# KiCad board BeavisUltrasoundPnp.kicad_pcb (continued)
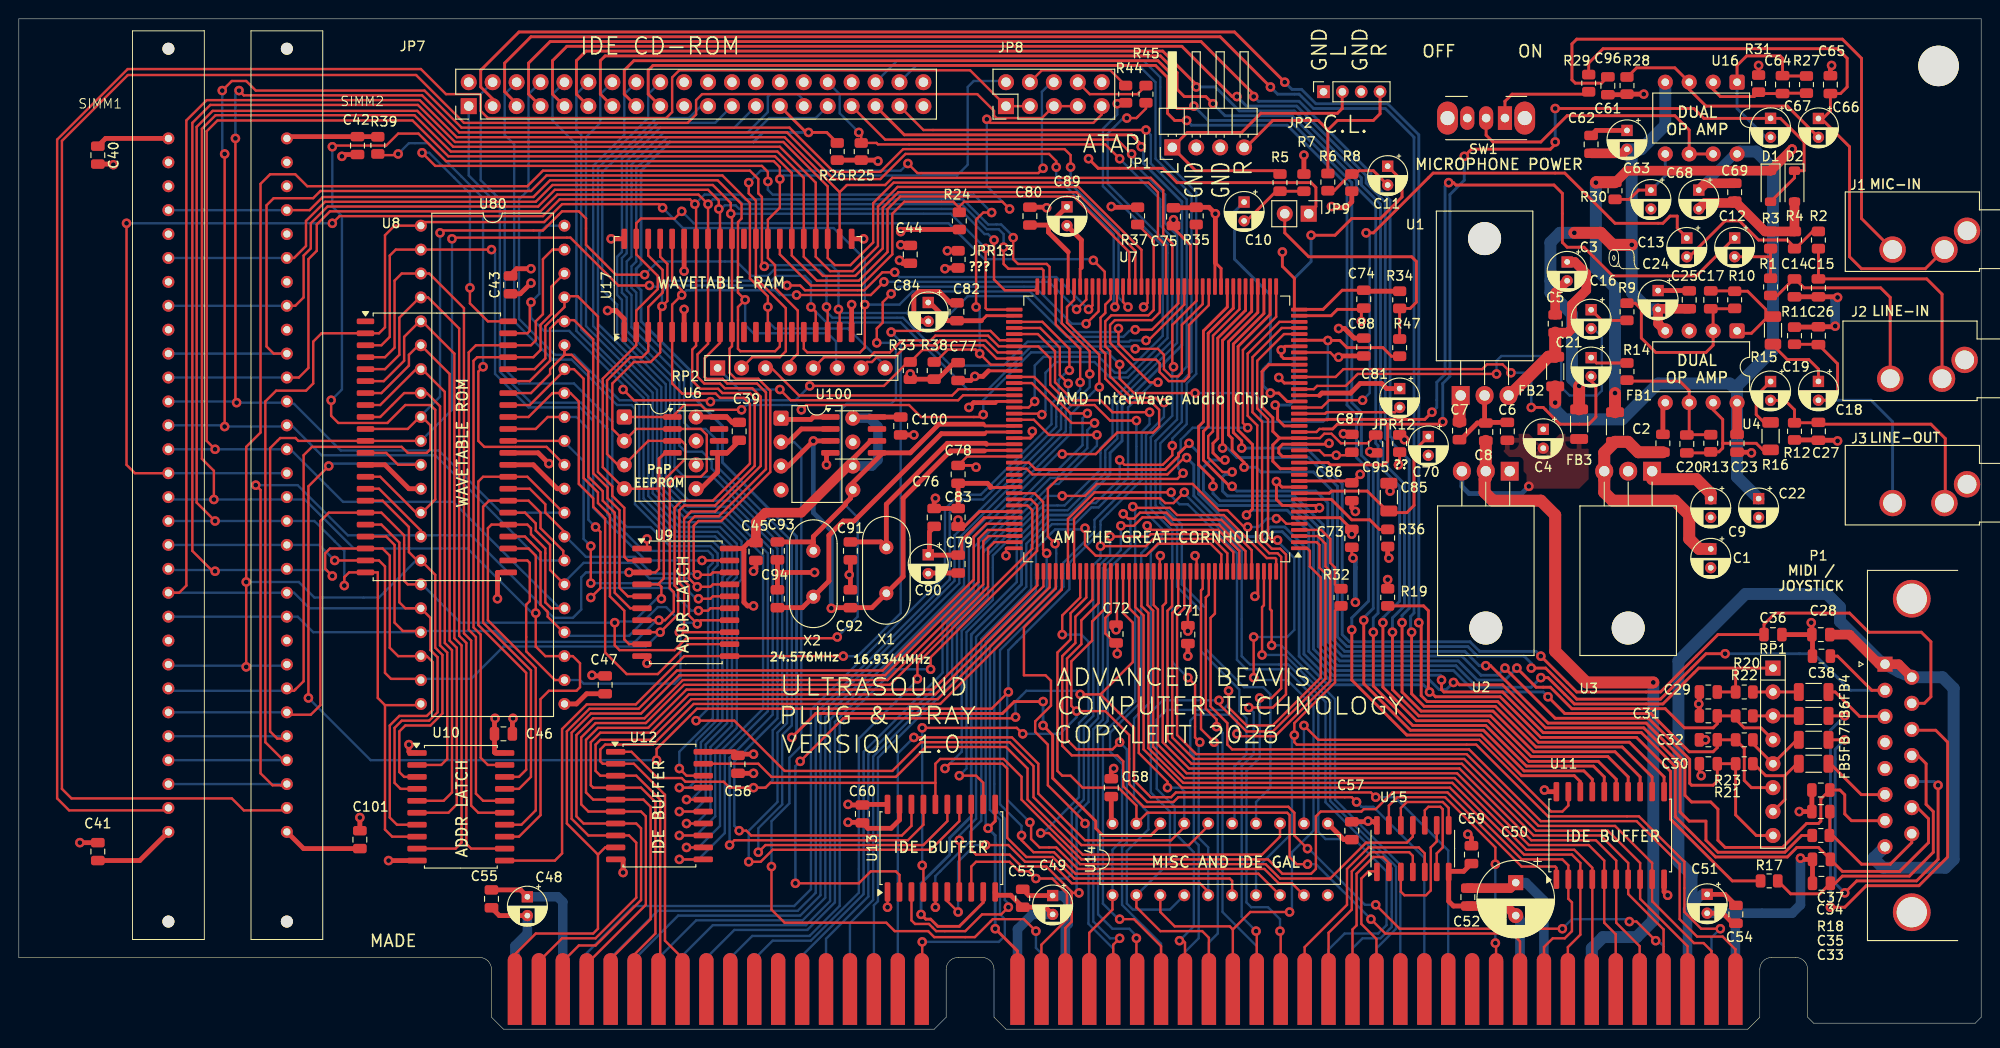
[diagram p0: board, top side]
## Routing (per net, layer and track width the routed paths; a pad name or vN(x,y) marks a point on that pad's centre or on a via; arc(x,y) is an arc through that point) (continued)
/~{EX_CS}: length 92.8
  Top w0.254: 118.74,85.47 120.45,83.76 U7.61 120.45,76.38 119.89,75.82 115.95,75.82 115.32,75.18 115.32,72.52 115.82,72.01 115.82,69.34 118.11,67.06 120.65,67.06 121.16,66.55 v1(121.54,66.55)
  Bottom w0.254: v1(121.54,66.55) 121.54,65.02 119.63,63.12 119.63,54.86 121.29,53.21 121.29,51.82 120.14,50.67 120.14,34.8 118.36,33.02 118.36,24.51 119.89,22.99 119.89,21.21 117.6,18.92 117.6,13.35 118.25,12.7 122.17,12.7 U14.4
/~{I_IOR}: length 217.8
  Top w0.254: U13.16 97.28,26.16 ; 97.28,26.16 97.28,28.19 97.79,28.7 104.53,28.7 106.43,26.81 106.43,24.38 112.78,18.03 132.59,18.03 134.11,16.51 137.16,16.51 137.67,17.02 137.67,22.61 138.18,23.11 142.49,23.11 142.75,23.37 144.02,23.37 145.8,25.15 151.64,25.15 159.51,17.27 163.07,17.27 163.19,17.14 U11.1 ; 97.28,26.16 79.76,26.16 79.25,25.65 v1(77.98,25.65) 75.44,25.65 74.81,26.28 70.74,26.28 70.36,26.67 67.82,26.67 65.02,29.46 U12.1
  Bottom w0.254: JP7.25 75.95,95.76 68.07,95.76 64.52,92.2 64.52,82.41 64.01,81.9 64.01,78.23 64.52,77.72 64.52,74.17 69.6,69.09 69.6,59.69 70.61,58.67 73.66,58.67 81.03,51.31 81.03,32.77 80.01,31.75 80.01,26.42 79.25,25.65 v1(77.98,25.65)
/~{I_IOW}: length 118.5
  Top w0.254: v1(76.45,21.08) 77.22,21.08 77.72,20.57 93.73,20.57 94.74,21.59 U13.18
  Bottom w0.254: v1(76.45,21.08) 75.95,21.59 75.95,28.45 80.52,33.02 80.52,51.05 75.44,56.13 71.12,56.13 69.14,58.12 69.14,68.79 64.01,73.91 64.01,77.47 63.5,77.98 63.5,82.04 64.01,82.55 64.01,92.46 67.82,96.27 73.91,96.27 JP7.23
/~{IDE_CS0}: length 108.7
  Top w0.254: JP7.37 96.01,95.5 v1(119.63,95.5)
  Bottom w0.254: U14.15 129.03,22.1 129.03,27.94 130.3,29.21 130.3,33.02 129.54,33.78 129.54,36.07 125.48,40.13 125.48,44.45 122.94,46.99 122.94,53.34 120.65,55.63 120.65,62.48 122.94,64.77 122.94,69.34 123.95,70.36 123.95,88.14 120.14,91.95 120.14,95 v1(119.63,95.5)
/~{IDE_CS1}: length 117
  Bottom w0.254: U14.14 131.32,24.13 132.84,25.65 132.84,35.56 132.08,36.32 130.05,36.32 125.98,40.39 125.98,44.7 123.44,47.24 123.44,53.59 121.16,55.88 121.16,62.23 123.44,64.52 123.44,68.83 124.46,69.85 124.46,88.65 120.65,92.46 120.65,100.58 118.87,102.36 95.25,102.36 JP7.38
/~{IDE_RST}: length 149.3
  Top w0.254: U14.16 126.24,21.59 124.21,19.56 112.78,19.56 107.7,24.64 107.7,27.94 105.16,30.48 95.76,30.48 92.71,27.43 81.28,27.43 75.95,32.77 v1(71.88,32.77)
  Bottom w0.254: JP7.1 47.75,90.68 51.05,87.38 51.05,69.85 54.36,66.55 59.69,66.55 62.48,63.75 62.48,54.61 66.29,50.8 73.15,50.8 73.66,50.29 73.66,49.53 73.15,49.02 73.15,34.04 v1(71.88,32.77)
/~{IIOCS16}: length 93.9
  Top w0.254: U7.136 117.85,44.71 118.87,43.69 118.87,29.34 121.92,26.29 v1(121.92,25.65) ; U14.17 123.7,21.46 122.3,20.07 113.16,20.07 108.2,25.02 108.2,28.19 105.41,30.99 v1(95,30.99)
  Bottom w0.254: U14.17 123.7,25.27 123.32,25.65 v1(121.92,25.65) ; v1(95,30.99) 93.29,29.29 J4.D2
/~{IO_CHCK}: length 90.3
  Top w0.254: J4.A1 182.19,8.48 180.85,9.83 178.13,9.83 176.28,11.68 176.28,17.53 171.7,22.1 161.54,22.1 153.92,29.72 128.78,29.72 128.27,30.23 128.27,32.51 126.49,34.29 126.49,43.69 126.95,44.15 U7.150
/~{IOCS16}: length 156.2
  Top w0.254: v1(98.3,27.69) 98.81,28.19 104.39,28.19 104.9,27.69 104.9,20.32 106.93,18.29 109.73,18.29 112.01,16 128.52,16 128.78,15.75 U14.6 ; v1(89.15,95.25) 89.41,95 R25.2 91.04,94.13 91.19,93.98 115.32,93.98 v1(116.84,92.46)
  Bottom w0.254: v1(116.84,92.46) 121.16,88.14 121.16,85.34 122.43,84.07 122.43,73.15 116.08,66.8 116.08,62.99 114.81,61.72 114.81,59.44 111,55.63 108.71,55.63 103.38,50.29 103.38,45.6 100.08,42.3 100.08,29.46 v1(98.3,27.69) ; v1(89.15,95.25) 87.12,97.28 87.12,99.31 JP7.32
/~{IOR}: length 113.2
  Top w0.254: v1(95.89,17.4) 96.01,17.27 U13.4 ; v1(141.99,24.13) 141.48,24.64 123.06,24.64 122.55,24.13 119.76,24.13 117.86,26.03 117.86,31.24 115.32,33.78 v1(112.27,33.78) 111.71,34.34 111.71,39.07 113.92,41.27 113.92,43.31 115.25,44.64 U7.132 ; v1(95.89,32) 105.92,32 v1(106.55,31.37)
  Bottom w0.254: v1(106.55,31.37) 110.49,31.37 112.27,33.15 v1(112.27,33.78) ; v1(141.99,24.13) 142.49,23.62 143.76,23.62 149.17,18.21 J4.B14 ; v1(95.89,32) v1(95.89,17.4)
/~{IOW}: length 140.3
  Top w0.254: v1(82.42,15.49) 89.15,15.49 90.42,16.76 93.09,16.76 93.47,16.38 U13.2 ; v1(82.93,28.45) 87.5,33.02 105.66,33.02 v1(105.79,33.15) ; 114.81,35.56 118.36,32 118.36,26.42 120.14,24.64 122.3,24.64 122.81,25.15 143.51,25.15 v1(144.02,24.64) ; 114.81,35.56 118.24,38.99 118.24,43.18 117.2,44.21 U7.135 ; 114.81,35.56 v1(112.65,35.56)
  Bottom w0.254: v1(112.65,35.56) 112.27,35.94 106.93,35.94 105.79,34.8 v1(105.79,33.15) ; J4.B13 151.71,18.97 146.05,24.64 v1(144.02,24.64) ; v1(82.42,15.49) 82.42,27.94 v1(82.93,28.45)
/~{RAHLD}: length 104.5
  Top w0.254: U7.86 104.11,73.18 103.12,74.17 92.71,74.17 v1(92.58,74.04) ; 51.56,17.91 56.9,17.91 57.66,18.67 57.66,31.88 60.27,34.49 65.48,34.49 70.61,39.62 U9.11 v1(87.5,39.62)
  Bottom w0.254: v1(87.5,39.62) 89.03,39.62 93.6,44.2 93.6,73.02 v1(92.58,74.04)
/~{RAM1_OE}: length 59.6
  Top w0.254: JP8.9 114.93,97.16 114.05,96.27 103.12,96.27 v1(102.74,96.65) ; v1(105.16,87.12) 104.39,87.88 100.33,87.88 99.82,87.38 R24.2 99.82,87.25 99.19,87.88 93.98,87.88 92.71,86.61 92.71,82.3 89.41,78.99 84.07,78.99 80.77,82.3 U17.27
  Bottom w0.254: v1(102.74,96.65) 102.74,89.53 v1(105.16,87.12)
/~{RASR}: length 101.5
  Top w0.254: U17.14 80.77,72.52 80.26,72.01 76.58,72.01 76.33,72.26 76.33,76.71 v1(77.09,77.47) 76.33,78.23 76.33,85.72 76.71,86.11 76.71,87.63 74.17,90.17 56.39,90.17 54.61,88.39 32.26,88.39 30.86,86.99 SIMM2.27
  Bottom w0.254: v1(77.09,77.47) 77.09,74.8 77.98,73.91 85.85,73.91 86.74,73.02 86.74,70.36 RP2.6 ; SIMM2.27 SIMM1.27
/~{RAS}: length 122.5
  Top w0.254: v1(106.43,20.57) 106.43,20.07 107.7,18.8 109.87,18.8 112.15,16.51 131.57,16.51 U14.8 ; RP2.5 85.47,71.37 90.3,71.37 90.8,71.88 92.46,71.88 93.73,73.15 96.77,73.15 97.28,73.66 102.87,73.66 104,72.53 U7.87 105.66,72.52 108.2,72.52 109.47,71.25 109.47,68.45 111.63,66.29 114.17,66.29 115.82,64.64 v1(118.62,64.64)
  Bottom w0.254: v1(106.43,20.57) 106.43,21.59 104.14,23.88 104.14,40.26 110.87,46.99 110.87,49.54 114.17,52.84 114.17,54.1 118.62,58.55 v1(118.62,64.64)
/~{ROMCS}: length 226.4
  Top w0.254: U8.12 38.99,61.21 40.26,59.94 U80.11 ; v1(120.02,65.53) 116.08,65.53 114.81,66.8 111.89,66.8 109.98,68.71 109.98,72.01 108.16,73.83 U7.85 ; v1(32.89,59.82) 30.73,57.66 v1(30.73,35.18) ; v1(105.03,35.81) 103.25,34.04 71.97,34.04 67.69,29.76 v1(67.69,28.57) ; v1(107.32,21.97) 107.44,21.84 107.44,20.19 108.33,19.3 110.11,19.3 112.39,17.02 132.2,17.02 133.72,15.49 135.13,15.49 U14.9
  Bottom w0.254: v1(120.02,65.53) 120.02,64.26 119.18,63.42 119.18,58.34 114.81,53.97 114.81,52.83 111.51,49.53 111.51,46.74 105.03,40.26 v1(105.03,35.81) 104.9,35.69 104.9,24.38 v1(107.32,21.97) ; v1(32.89,59.82) 33.15,60.07 42.55,60.07 U80.11 ; v1(67.69,28.57) 37.34,28.57 v1(30.73,35.18)
/~{SBHE}: length 67.3
  Top w0.254: J4.C1 95.89,3.94 v1(95.89,9.27) ; v1(109.09,50.55) 108.71,50.93 108.71,56.01 107.79,56.93 U7.111
  Bottom w0.254: v1(95.89,9.27) 104.01,9.27 104.65,9.91 104.65,11.68 104.14,12.19 104.14,22.22 103.07,23.29 103.07,40.72 109.09,46.74 v1(109.09,50.55)
/~{SIMM1_CAS}: length 197.7
  Top w0.254: SIMM1.2 15.62,23.24 5.33,23.24 4.06,24.51 4.06,94.49 11.56,101.98 42.67,101.98 45.34,99.31 48.89,99.31 49.02,99.19 49.02,97.54 49.78,96.77 68.71,96.77 69.34,97.41 69.34,101.09 70.1,101.85 100.96,101.85 JP8.1 107.32,98.04
/~{SIMM2_CAS}: length 210.5
  Top w0.254: JP8.7 JP8.5 108.58,96.77 103.76,96.77 103.51,97.03 103.51,97.54 101.73,99.31 72.52,99.31 71.88,98.68 71.88,97.16 70.99,96.27 47.24,96.27 42.16,101.35 11.57,101.35 4.57,94.35 4.57,25.53 5.59,24.51 22.61,24.51 23.88,23.24 28.45,23.24
/~{WE_R}: length 114.5
  Top w0.254: SIMM2.21 27.05,71.75 26.29,72.52 26.29,87.5 27.05,88.26 31.24,88.26 32,89.03 54.36,89.03 56.01,90.68 74.68,90.68 77.6,87.76 77.6,79.74 79.5,77.84 v1(79.5,76.71) U17.13
  Bottom w0.254: RP2.8 91.95,70.48 88.01,74.42 80.26,74.42 79.5,75.18 v1(79.5,76.71) ; SIMM2.21 SIMM1.21
/~{WE}: length 18
  Top w0.254: U7.88 103.89,71.88 102.62,73.15 97.78,73.15 97.27,72.64 94.23,72.64 92.96,71.37 91.06,71.37 90.55,70.87 90.04,70.87 RP2.7
Net-(C10-Pad2): length 7.7
  Top w0.305: C10.2 130.3,85.85 133.56,89.11 133.86,89.11 133.96,89 R7.2
Net-(C11-Pad2): length 7.9
  Top w0.305: R6.1 139.61,89.06 141.37,90.83 R8.2 141.88,90.83 142.24,91.19 143.76,91.19 C11.2
Net-(C12-Pad2): length 7
  Top w0.305: 185.93,82.04 R3.1 ; 185.93,82.04 C12.2 ; 185.93,82.04 R1.2
Net-(C13-Pad2): length 17.6
  Top w0.305: C13.2 177.28,82.03 181.1,85.85 182.63,85.85 184.66,83.82 187.71,83.82 188.47,83.06 R4.2 188.57,82.91 190.4,84.73 R2.2
Net-(C14-Pad1): length 22.9
  Top w0.305: J2.R 198.63,77.72 197.61,78.74 189.48,78.74 188.53,79.69 C14.1 188.4,79.69 186.64,77.93 R1.1
Net-(C15-Pad1): length 26
  Top w0.305: J2.T 204.13,78.07 202.5,79.69 C15.1 R2.1
Net-(C16-Pad1): length 4.3
  Top w0.305: C16.1 168,75.29 R9.2
Net-(C17-Pad1): length 11.5
  Top w0.305: U4.1 182.63,73.91 183.9,73.91 185.42,75.44 185.42,76.45 183.49,78.38 R10.1 182.08,78.42 C17.1
Net-(C18-Pad1): length 7.3
  Top w0.305: 186.18,72.77 186.18,72.64 187.71,71.12 189.99,71.12 191.01,70.1 C18.1
Net-(C18-Pad2): length 28.2
  Top w0.305: R11.2 190.97,72.75 C26.2 193.04,70.68 193.04,67.82 192.02,66.8 C18.2
  Bottom w0.305: J3.R 198.88,64.52 196.6,66.8 C18.2
Net-(C19-Pad1): length 6
  Top w0.305: C19.1 184.4,67.27 184.4,65.28 185.23,64.45 R16.1
Net-(C19-Pad2): length 28
  Top w0.305: J3.T 204.47,55.97 204.47,62.74 202.95,64.26 191.2,64.26 C27.2 190.97,64.41 R12.2 188.47,65.79 187.46,66.79 C19.2
Net-(C20-Pad1): length 14.6
  Top w0.305: C20.1 179.47,61.21 R13.1 180.44,61.32 180.85,61.72 180.85,62.23 ; 180.85,62.23 184.4,62.23 185.1,61.53 R16.2 ; 180.85,62.23 180.85,64.77 179.83,65.79 U4.7
Net-(C21-Pad1): length 4
  Top w0.305: R14.2 167.45,70.76 C21.1
Net-(C64-Pad1): length 19.1
  Top w0.305: U16.1 182.37,102.36 183.39,103.38 186.94,103.38 187.2,103.12 C64.1 187.24,101.24 R27.1
  Bottom w0.305: U16.1 182.37,97.79 185.42,94.74 C67.2
Net-(C65-Pad1): length 65.9
  Top w0.305: R29.1 166.62,102.62 168.15,104.14 193.04,104.14 194.06,103.12 194.06,100.08 193.36,99.38 C65.1 192.28,97.54 191.47,96.73 C66.1 191.31,96.73 194.31,93.73 194.31,82.04 195.58,80.77 202.35,80.77 J1.T
Net-(C96-Pad2): length 61.5
  Top w0.305: J1.R 195.58,86.11 195.58,103.12 193.55,105.16 165.35,105.16 164.85,104.65 164.85,100.84 165.2,100.48 167.98,100.48 C96.2
Net-(FB4-Pad1): length 7.1
  Top w0.305: 192.07,35.81 192.79,35.81 195.38,33.22 P1.3
Net-(FB5-Pad1): length 7.4
  Top w0.305: 192.07,28.19 192.28,28.19 195.56,24.91 P1.6
Net-(JP1-Pin_1): length 34.1
  Top w0.305: JP2.2 140.46,99.55 140.46,97.79 139.95,97.28 131.83,97.28 129.79,95.25 124.02,95.25 JP1.1 124.9,91.19 133.35,91.19 133.6,90.93 133.86,90.93
Net-(JP1-Pin_4): length 23.7
  Top w0.305: 138.94,95.5 R6.2 ; 138.94,95.5 137.92,96.52 133.1,96.52 130.24,93.66 JP1.4 ; 138.94,95.5 139.95,96.52 143.76,96.52 144.48,97.23 JP2.4
Net-(JP9-B): length 26.9
  Top w0.305: R47.1 R34.2 147.68,76.56 148.34,77.22 148.34,81.53 147.83,82.04 136.91,82.04 134.37,84.58 JP9.2
Net-(P1-P12): length 30.5
  Top w0.305: P1.12 201.56,29.07 202.44,28.19 202.44,23.88 203.2,23.11 203.2,18.8 200.66,16.26 193.55,16.26 192.79,15.49 C33.2 191.16,14.38 188.06,14.38 R17.2
Net-(P1-P13): length 41
  Top w0.305: 192.07,30.73 v1(193.8,30.73) ; v1(203.71,25.91) 203.71,18.03 201.42,15.75 195.07,15.75 v1(193.8,14.48)
  Bottom w0.305: v1(203.71,25.91) 203.32,26.3 P1.13 ; v1(193.8,30.73) 192.79,29.72 192.79,15.49 v1(193.8,14.48)
Net-(P1-P15): length 14.5
  Top w0.305: C34.2 192.21,20.61 R18.2 192.53,20.57 195.58,17.53 198.63,17.53 200.91,19.81 P1.15
Net-(P1-P111): length 53.9
  Top w0.305: v1(192.28,12.95) 193.8,12.95 196.09,15.24 201.68,15.24 204.72,18.29 204.72,30.48 203.45,31.75 201,31.75 P1.11 ; 192.07,33.27 v1(193.8,33.27)
  Bottom w0.305: v1(192.28,12.95) 192.28,31.75 v1(193.8,33.27)
Net-(RP1A-R1.2): length 4.9
  Top w0.305: FB4.2 RP1.2 R20.2
Net-(RP1B-R2.1): length 4.9
  Top w0.305: R22.2 RP1.3 FB6.2
Net-(RP1C-R3.1): length 7.2
  Top w0.305: FB7.2 188.72,30.73 RP1.5 184.05,30.33 R23.2
Net-(RP1D-R4.1): length 10.3
  Top w0.305: 187.45,26.92 188.72,28.19 FB5.2 ; 187.45,26.92 187.45,24.38 RP1.7 ; 187.45,26.92 185.42,26.92 184.15,28.19 R21.2
Net-(SW1-A): length 11.1
  Top w0.305: SW1.1 157.74,98.55 157.73,98.55 158.5,99.31 166.37,99.31 R29.2
Net-(SW1-B): length 30.5
  Top w0.305: SW1.2 155.74,94.96 156.46,94.23 161.54,94.23 164.34,97.03 175.77,97.03 177.29,95.5 U16.6 U16.7
Net-(U1-VO): length 20.2
  Top w1.016: C3.1 165.14,81.49 166.37,80.26 166.37,78.49 164.85,76.96 164.85,74.42 164.4,73.98 C5.1
  Top w1.27: U1.3 158.24,67.31 162.36,71.42 FB2.1 C5.1
Net-(U2-VO): length 9.4
  Bottom w0.508: v1(160.27,57.66) 159.51,56.9 153.92,56.9 153.16,57.66 U2.3
Net-(U3-VO): length 26.7
  Top w1.27: C2.1 171.89,61.28 170.79,62.38 FB1.1 168.27,61.24 168.27,57.02 169.16,56.13 175.77,56.13 177.29,54.61 177.29,52.07 178.35,51.01 C1.1
Net-(U4A--): length 19.9
  Top w0.305: R10.2 182.08,76.52 C17.2 179.83,76.27 U4.2 179.83,72.64 179.07,71.88 173.74,71.88 172.21,73.41 172.21,76.45 171.55,77.11 R9.1
Net-(U4B--): length 14.4
  Top w0.305: R14.1 170.79,68.83 176.28,68.83 177.29,67.82 U4.6 177.29,63.37 C20.2 177.07,63.14 R13.2
Net-(U7-AUX1L): length 29.2
  Top w0.254: U7.19 138.09,62.78 138.56,63.25 139.32,63.25 140.33,62.23 143.13,62.23 C95.1
  Top w0.305: 133.82,62.78 U7.19 ; 133.82,62.78 133.1,62.06 133.1,60.32 133.89,59.53 U7.14 ; 133.82,62.78 133.1,63.5 133.1,64.94 131.95,66.09 131.95,69.85 132.68,70.58 U7.31
Net-(U7-CFILT): length 21.5
  Top w0.305: C70.1 148.08,61.42 148.08,55.63 147.32,54.86 146.18,54.86 146,55.04 C85.1 145.24,55.04 143.13,57.15 139.32,57.15 139.1,56.93 U7.10
Net-(U7-IREF): length 10.7
  Top w0.305: U7.9 139.3,56.28 141.48,54.1 143.38,54.1 144.4,53.09 R36.2
Net-(U7-XTAL1O): length 35.7
  Top w0.305: 102.49,63.25 102.67,63.43 U7.101
  Top w0.508: 102.49,63.25 97.92,63.25 88.65,53.97 87.5,53.97 85.98,52.45 85.98,47.59 X2.1 83.16,44.77 C94.1
Net-(U7-XTAL2O): length 24.9
  Top w0.305: U7.103 102.72,62.13
  Top w0.508: 102.72,62.13 102.62,62.23 98.55,62.23 92.08,55.75 X1.2 91.51,51.75 C91.1
Net-(U15-Pad3): length 13
  Top w0.254: 150.5,21.72 150.5,19.94 149.86,19.3 149.86,14.73 149.35,14.22 147.07,14.22 146.69,14.6 146.69,16.77
Net-(U15-Pad10): length 10.6
  Top w0.254: 150.5,16.77 150.5,18.67 151.13,19.3 151.13,23.37 150.88,23.62 149.61,23.62 149.23,23.24 149.23,21.72
Net-(U15-Pad12): length 9.2
  Top w0.254: 151.76,21.72 151.76,23.49 151.13,24.13 147.32,24.13 146.69,23.49 146.69,21.72
Net-(U16A-+): length 24.2
  Top w0.305: C66.2 190.25,95.49 190.25,95.5 187.71,98.04 179.07,98.04 177.29,99.82 U16.3 175.77,102.11 171.7,102.11 170.74,101.14 R28.1
Net-(U16A--): length 11.2
  Top w0.305: U16.2 179.83,99.82 180.59,99.06 184.2,99.06 R31.1 184.8,99.38 C64.2 187.24,99.42 R27.2
Net-(U16B-+): length 8.7
  Top w0.305: R30.2 170.94,88.14 171.93,89.12 C63.1
  Bottom w0.305: U16.5 174.75,90.65 C63.1
Net-(U80-~{BYTE}/VPP): length 50.4
  Top w0.254: U80.32 56.01,61.85 49.4,61.85 48.77,62.48 48.77,69.85 v1(49.28,70.36) ; v1(40.26,92.96) 40.13,92.84 38.23,92.84 R39.2
  Bottom w0.254: v1(40.26,92.96) 41.4,94.11 43.43,94.11 49.28,88.26 v1(49.28,70.36)

## Copper pours and planes (outline as drawn; the poured copper is in the pictures)
+5V on In2.Cu: 183.9,4.06 183.9,16.26 175.26,24.89 175.26,43.69 171.2,47.75 150.88,47.75 150.88,36.07 79.25,36.07 79.25,67.06 92.46,67.06 92.46,81.03 93.98,81.03 93.98,91.44 115.32,91.44 115.32,106.17 1.02,106.17 1.02,9.14 50.29,9.14 51.31,8.13 51.31,4.06 97.54,4.06 97.54,8.13 98.55,9.14 103.63,9.14 104.65,8.13 104.65,4.06
+5VA on In2.Cu: 181.1,45.97 177.04,45.97 172.72,50.29 148.59,50.29 148.59,38.61 95.25,38.61 95.25,51.82 102.62,51.82 102.62,57.15 99.06,60.71 99.06,71.63 100.08,72.9 100.08,80.9 99.31,80.9 99.31,73.66 98.04,72.14 98.04,60.45 101.35,57.15 101.35,52.83 95.25,52.83 95.25,78.23 96.77,80.26 96.77,88.65 132.59,88.65 134.37,86.87 134.37,78.99 171.45,78.99 171.45,61.98 175.51,57.91 181.1,57.91
+12V on Bottom: 161.16,1.27 161.16,12.83 158.75,15.24 158.75,16.26 165.48,16.26 167.39,18.16 167.39,34.16 164.34,37.21 164.34,51.43 162.18,53.59 162.18,56.64 158.12,60.71 153.42,60.71 152.02,62.1 152.02,68.33 154.05,68.33 154.05,66.93 155.19,65.79 156.72,65.79 162.31,60.2 164.97,60.2 166.24,58.93 166.24,57.28 171.32,57.28 173.36,59.31 174.37,59.31 174.37,54.23 171.7,51.56 169.67,51.56 168.15,50.04 168.15,40.51 171.7,36.96 171.7,13.08 170.81,12.19 162.69,12.19 162.69,1.27
GND on In1.Cu: 168.4,43.18 175.26,43.18 175.26,25.4 183.39,17.27 183.39,4.57 104.65,4.57 104.65,8.13 103.63,9.14 98.04,9.14 97.03,8.13 97.03,4.57 51.31,4.57 51.31,8.13 50.8,8.64 1.02,8.64 1.02,106.17 115.82,106.17 115.82,88.9 134.62,88.9 134.62,80.52 131.57,77.47 131.57,50.8 134.62,47.75 163.83,47.75
GND on In1.Cu: 207.26,50.29 182.88,50.29 182.88,59.44 175.77,59.44 172.72,62.48 172.72,79.25 183.39,79.25 183.39,75.69 193.55,75.69 193.55,66.55 207.26,66.55
GND on In1.Cu: 207.26,47.75 183.9,47.75 183.9,43.18 177.8,43.18 177.8,26.42 185.93,18.29 185.93,9.14 189.99,9.14 191.01,8.13 191.01,1.52 207.26,1.52
GND on In1.Cu: 181.1,45.47 169.42,45.47 164.59,50.29 148.84,50.29 148.34,49.78 136.14,49.78 133.35,52.58 133.35,75.44 137.16,79.25 137.16,90.42 136.65,90.93 117.6,90.93 117.6,106.17 207.26,106.17 207.26,67.82 195.07,67.82 195.07,76.96 184.91,76.96 184.91,80.77 171.7,80.77 171.7,61.21 175.01,57.91 181.61,57.91 181.61,50.55 181.1,49.78
GND on In2.Cu: 207.32,50.31 182.94,50.31 182.94,59.45 175.82,59.45 172.78,62.5 172.78,79.26 183.44,79.26 183.44,75.71 193.6,75.71 193.6,66.56 207.32,66.56
GND on In2.Cu: 207.26,47.75 183.9,47.75 183.9,43.18 177.8,43.18 177.8,26.42 185.93,18.29 185.93,9.14 189.99,9.14 191.01,8.13 191.01,1.52 207.26,1.52
GND on In2.Cu: 207.26,68.07 195.07,68.07 195.07,77.22 184.4,77.22 184.4,80.77 136.65,80.77 136.65,88.39 134.11,90.93 117.86,90.93 117.86,106.17 207.26,106.17
Net-(U2-VO) on Top: 157.48,61.47 160.02,58.93 160.02,57.4 165.61,57.4 166.62,58.42 166.62,63.25 163.58,63.25 162.56,62.23 161.29,62.23 160.27,63.25 157.48,63.25

## Text on the board
B.Silkscreen: REVERSED BY: Tube Time / SPECIAL THANKS TO: / mtgmackid / ĸurth
F.Silkscreen: 24.576MHz | 16.9344MHz | PnP / EEPROM | ??? | ?? | MIC-IN | LINE-OUT | LINE-IN | MIDI / / JOYSTICK | WAVETABLE RAM | IDE BUFFER | I AM THE GREAT CORNHOLIO! | AMD InterWave Audio Chip | MISC AND IDE GAL | MICROPHONE POWER | DUAL / OP AMP | ADDR LATCH | WAVETABLE ROM | MADE | OFF | ON | GND | L | R | IDE CD-ROM | ATAPI | C.L. | PLUG & PRAY | VERSION 1.0 | LTRASOUND | COPYLEFT 2026 | ADVANCED BEAVIS | COMPUTER TECHNOLOGY | U
